# Altium PCB roach2.PcbDoc (part 22 of 39)
Units mil, origin at the board's own origin, x right, y up, seen from the top; angles counter-clockwise.
Board outline 12007.87 x 9606.3 mil, 16 copper layers (L1_TOP, L2_G, L3_S, L4_G, L5_S, L6_P, L7_G, L8_R, L9_R, L10_P, L11_P, L12_S, L13_P, L14_S, L15_G, L16_BOT), stack 81.651 mil thick; 1608 components, 1934 nets, 9335 pads, 6759 vias.
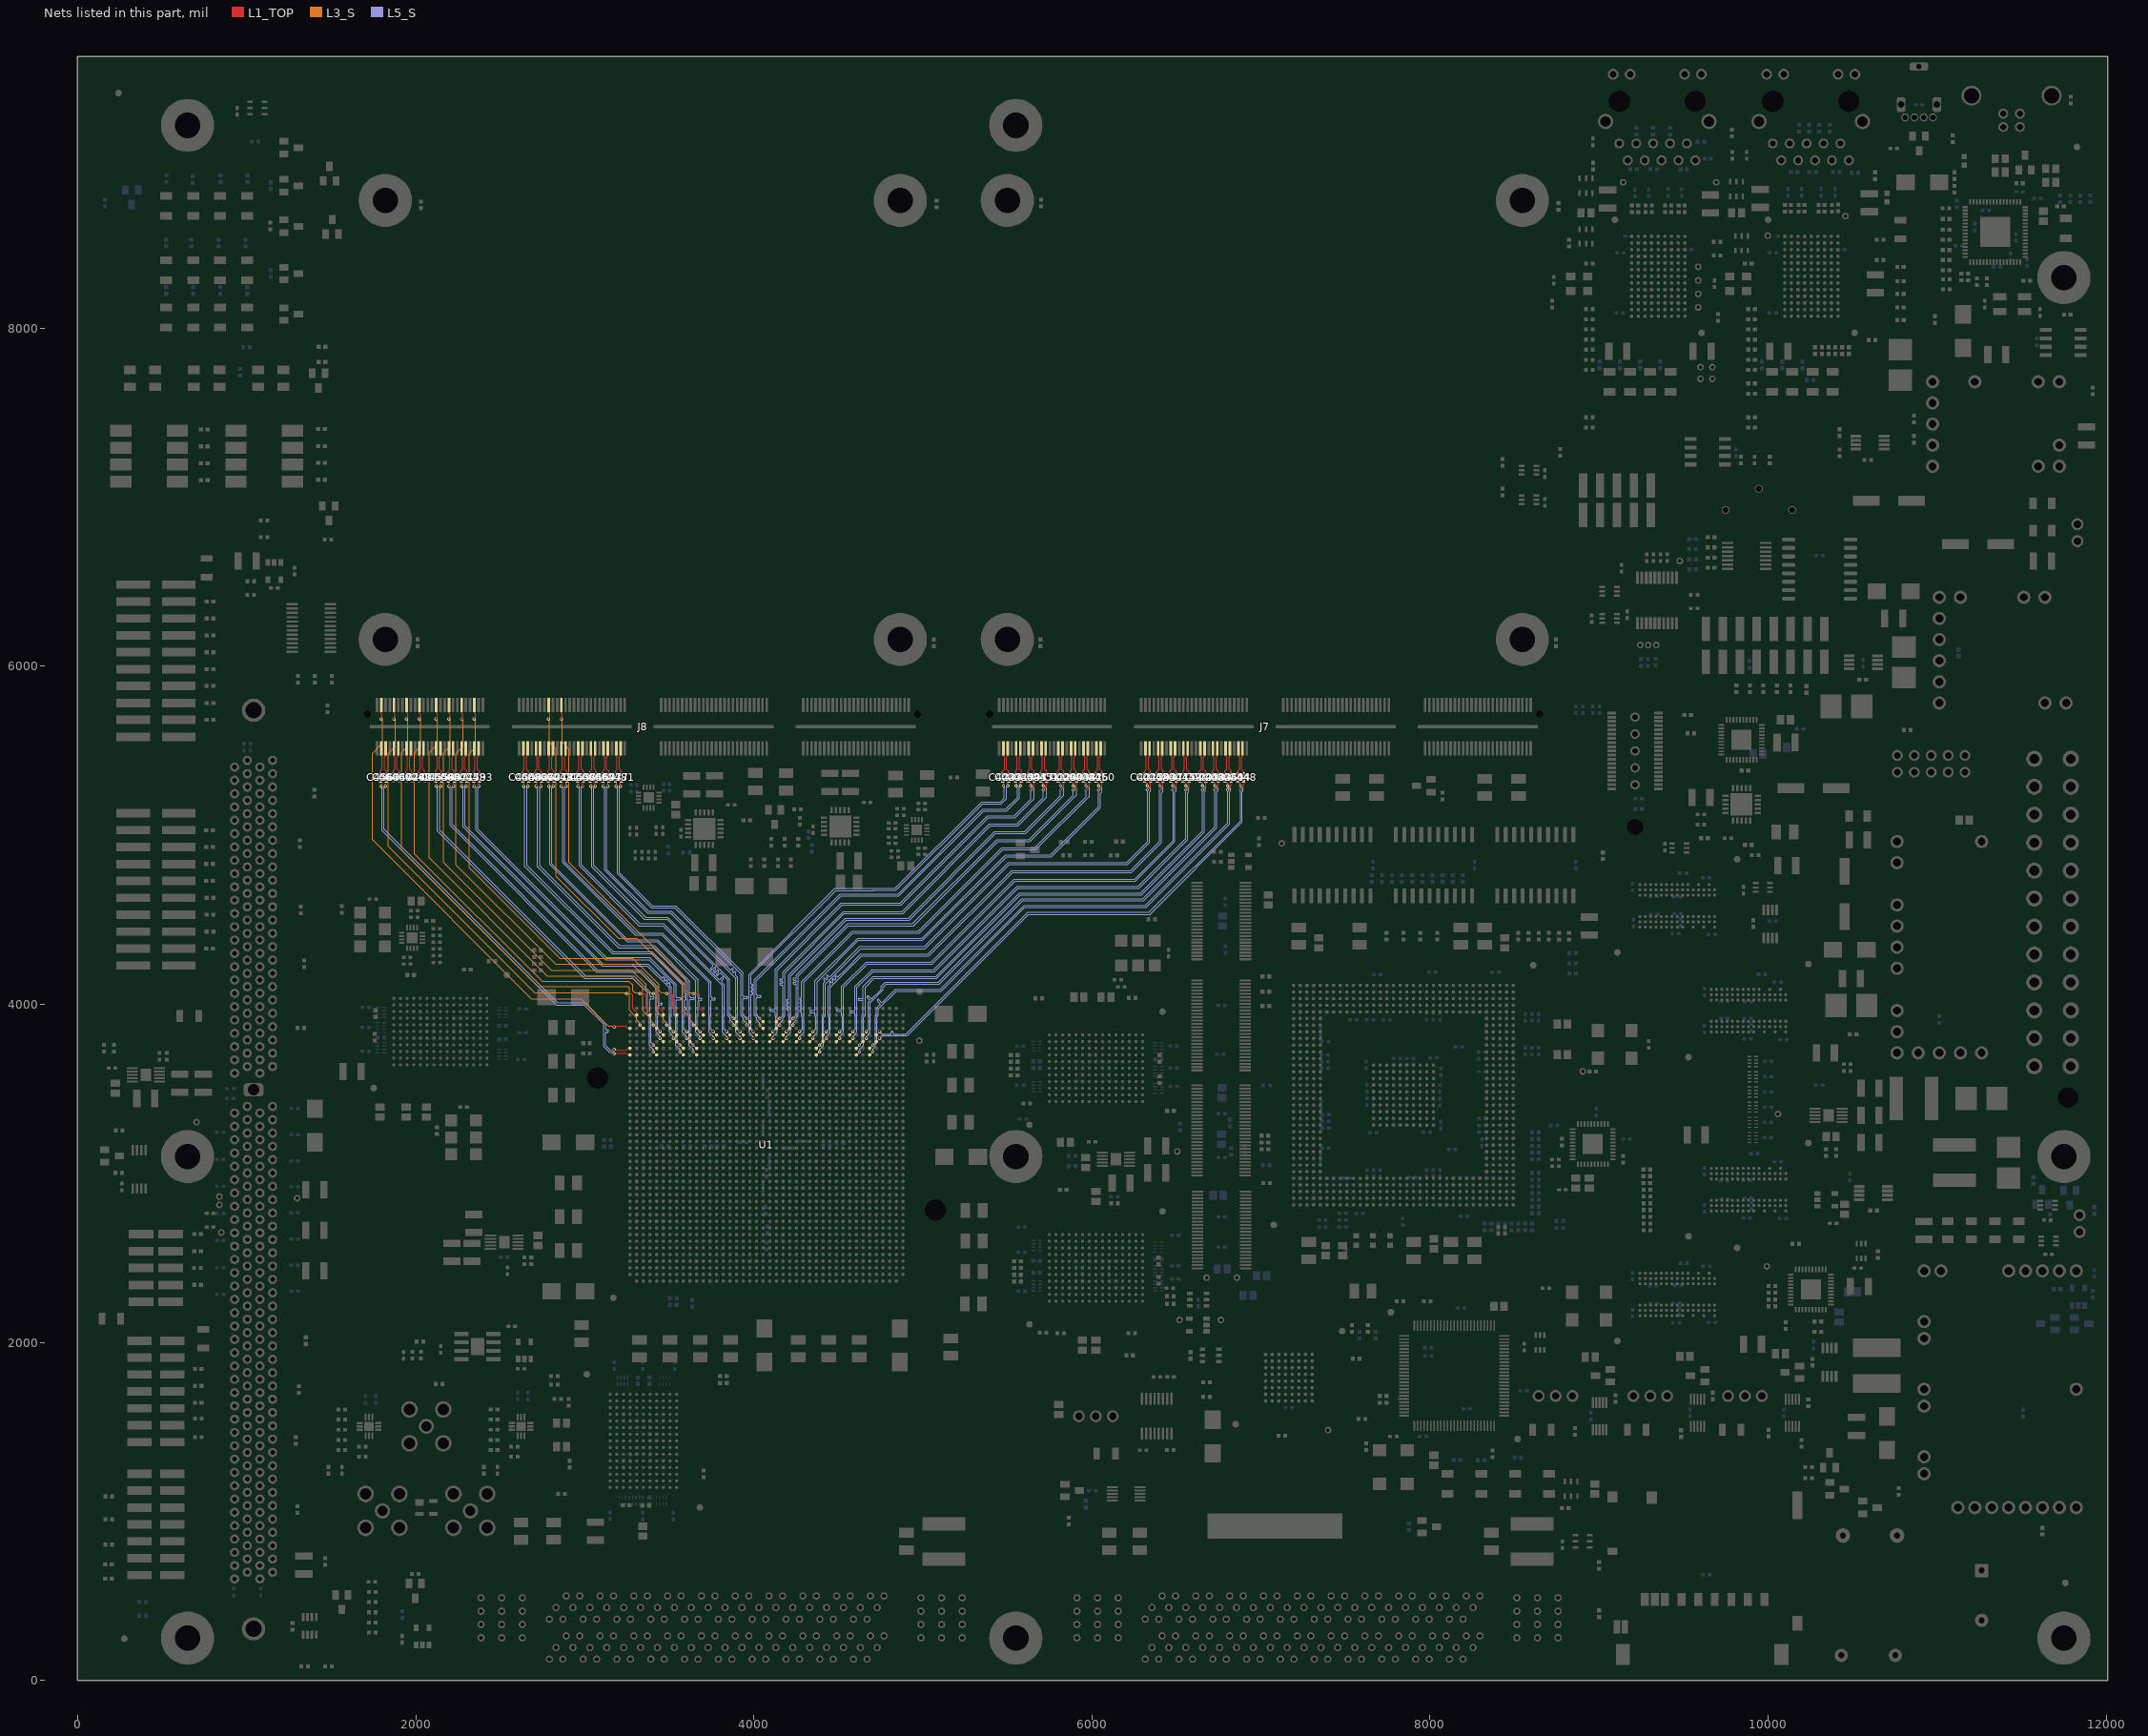
[diagram p36: the nets of this part, all layers, seen from the top]

## Via types
v1: diameter 19.4, hole 10, L1_TOP to L16_BOT, tented both sides, 3354 vias
v2: diameter 19.4, hole 10, L1_TOP to L16_BOT, 1884 vias
v3: diameter 19.4, hole 10, L1_TOP to L16_BOT, tented top, 410 vias
v4: diameter 18.6, hole 10, L1_TOP to L16_BOT, tented both sides, 311 vias
v5: diameter 59.06, hole 39.37, L1_TOP to L16_BOT, 217 vias
v6: diameter 19, hole 10, L1_TOP to L16_BOT, 198 vias
v7: diameter 19.4, hole 10.04, L1_TOP to L16_BOT, 125 vias
v8: diameter 19.4, hole 10, L1_TOP to L16_BOT, tented bottom, 80 vias
v9: diameter 25.98, hole 12.99, L1_TOP to L16_BOT, tented top, 59 vias
v10: diameter 20, hole 10, L1_TOP to L16_BOT, 52 vias
v11: diameter 59.06, hole 39.37, L1_TOP to L16_BOT, tented top, 44 vias
v12: diameter 20, hole 10, L1_TOP to L16_BOT, tented top, 16 vias
v13: diameter 19, hole 10, L1_TOP to L16_BOT, tented top, 5 vias
v14: diameter 50, hole 28, L1_TOP to L16_BOT, 4 vias

## Nets (pads, with @x,y where several pads share a name; then routed paths per layer and width w, separated by ;. In a path a pad name is that pad's centre, name@x,y a point inside that pad or via, vN(x,y) a via of type N, cw(c..) or ccw(c..) an arc to the next point about the centre after c; other vN are vias at no path point) (continued)
MGT_RX_AC3_N: C456.1 U1.BB8 | length 2397.6
  L1_TOP w5: C456.1@1791.34,5322.83 1796.99,5317.18 1796.99,5292.99 v2(1794.99,5290.99) ; v1@3176.09,3709.46 3176.73,3710.09 3198.27,3710.09 3200.09,3711.92 3242.91,3711.92 3255.09,3699.73 3267.72,3699.73 U1.BB8@3267.82,3699.73
  L5_S w3.8: v2(1794.99,5290.99) 1799.21,5286.77 1794,5281.56 1802,5273.56 1802,5028.71 2833.72,3996.99 2997.69,3996.99 3112.99,3881.69 3112.99,3750.12 3147.1,3716.01 3167.97,3716.01 v1@3173.99,3709.99
  other v1: 3173.09,3708.46
MGT_RX_AC3_P: C460.1 U1.BB7 | length 2397.6
  L1_TOP w5: v2(1820.99,5290.99) 1820.99,5317.06 C460.1@1826.77,5322.83 ; v1@3179.09,3731.46 3179.89,3730.66 3196.35,3730.66 3200.09,3726.92 3242.91,3726.92 3255.09,3739.1 3267.72,3739.1 U1.BB7@3267.82,3739.1
  L5_S w3.8: v2(1820.99,5290.99) 1812.99,5282.99 1812.99,5035.01 2839.01,4008.99 3000.99,4008.99 3122.99,3886.99 3122.99,3854 ccw(c3128.89,3854) 3128.89,3848.1 3135.67,3848.1 cw(c3135.67,3842.2) 3141.57,3842.2 cw(c3135.67,3842.2) 3135.67,3836.3 3128.89,3836.3 ccw(c3128.89,3830.4) 3122.99,3830.4 3122.99,3756.81 3151.99,3727.81 3168.15,3727.81 3172.95,3732.61 v1@3174.17,3733.83
  other v1: 3173.27,3732.29
MGT_RX_AC4_N: C479.1 U1.AP8 | length 2287.9
  L1_TOP w5: C479.1@2342.52,5322.83 2348.17,5317.18 2348.17,5292.99 v2(2346.17,5290.99) ; v1(3562.09,3718.94) 3581.46,3699.57 U1.AP8@3581.78,3699.25
  L5_S w3.8: v2(2346.17,5290.99) 2355.19,5281.97 2355.19,5031.9 3122.1,4264.99 3378.99,4264.99 3529.99,4113.99 3529.99,3933.99 3539.22,3924.76 3539.22,3755.89 3562.99,3732.12 v1@3562.99,3720.47
MGT_RX_AC4_P: C483.1 U1.AP7 | length 2287.9
  L1_TOP w5: v2(2372.17,5290.99) 2372.17,5317.06 C483.1@2377.95,5322.83 ; v1(3562.09,3758.31) 3581.46,3738.94 U1.AP7@3581.78,3738.62
  L5_S w3.8: v2(2372.17,5290.99) 2366.99,5285.81 2366.99,5036.79 3126.79,4276.99 3382.99,4276.99 3541.79,4118.19 3541.79,4045.4 ccw(c3547.69,4045.4) 3547.69,4039.5 3564.47,4039.5 cw(c3564.47,4033.6) 3570.37,4033.6 cw(c3564.47,4033.6) 3564.47,4027.7 3547.69,4027.7 ccw(c3547.69,4021.8) 3541.79,4021.8 3541.79,3938.88 3547.39,3933.28 3547.39,3775.44 v1@3562.99,3759.84
MGT_RX_AC5_N: C471.1 U1.AR6 | length 2229.6
  L1_TOP w5: C471.1@2267.72,5322.83 2273.37,5317.18 2273.37,5292.99 v2(2271.37,5290.99) ; v1(3523.62,3799.21) U1.AR6@3543.31,3779.53
  L5_S w3.8: v2(2271.37,5290.99) 2279.19,5283.17 2279.19,5050.1 3102.3,4226.99 3368.99,4226.99 3499.85,4096.13 3499.85,3834.64 3523.62,3810.87 v1(3523.62,3799.21)
MGT_RX_AC5_P: C475.1 U1.AR5 | length 2229.6
  L1_TOP w5: v2(2297.37,5290.99) 2297.37,5317.06 C475.1@2303.15,5322.83 ; v1(3523.62,3838.58) U1.AR5@3543.31,3818.9
  L5_S w3.8: v2(2297.37,5290.99) 2290.99,5284.61 2290.99,5054.99 3106.99,4238.99 3372.99,4238.99 3453.24,4158.74 ccw(c3457.41,4162.91) 3461.59,4158.74 3461.9,4159.05 cw(c3466.07,4154.88) 3470.24,4159.05 cw(c3466.07,4154.88) 3470.24,4150.71 3469.93,4150.4 ccw(c3474.1,4146.23) 3469.93,4142.05 ccw(c3474.1,4146.23) 3478.27,4142.05 3478.58,4142.36 cw(c3482.75,4138.19) 3486.93,4142.36 cw(c3482.75,4138.19) 3486.93,4134.02 3486.62,4133.71 ccw(c3490.79,4129.54) 3486.62,4125.37 ccw(c3490.79,4129.54) 3494.96,4125.37 3495.27,4125.67 cw(c3499.44,4121.5) 3503.61,4125.67 cw(c3499.44,4121.5) 3503.61,4117.33 3503.31,4117.02 ccw(c3507.48,4112.85) 3503.31,4108.68 3511.65,4100.33 3511.65,3928.99 3508.02,3925.36 3508.02,3854.18 v1(3523.62,3838.58)
MGT_RX_AC6_N: C463.1 U1.AU6 | length 2218.8
  L1_TOP w5: C463.1@2192.91,5322.83 2198.57,5317.18 v2@2198.57,5292.99 ; v1(3444.88,3799.21) U1.AU6@3464.57,3779.53
  L5_S w3.8: v2(2196.57,5290.99) 2203.19,5284.37 2203.19,5058.79 3070.99,4190.99 3326.99,4190.99 3421.11,4096.87 3421.11,3834.64 3444.88,3810.87 v1(3444.88,3799.21)
MGT_RX_AC6_P: C467.1 U1.AU5 | length 2218.8
  L1_TOP w5: v2(2222.57,5290.99) 2222.57,5317.06 C467.1@2228.35,5322.83 ; v1(3444.88,3838.58) U1.AU5@3464.57,3818.9
  L5_S w3.8: v2(2222.57,5290.99) 2214.99,5283.42 2214.99,5063.68 3075.68,4202.99 3330.99,4202.99 3432.91,4101.07 3432.91,4014 ccw(c3438.81,4014) 3438.81,4008.1 3451.68,4008.1 cw(c3451.68,4002.2) 3457.58,4002.2 cw(c3451.68,4002.2) 3451.68,3996.3 3438.81,3996.3 ccw(c3438.81,3990.4) 3432.91,3990.4 3432.91,3928.99 3429.28,3925.36 3429.28,3854.18 v1(3444.88,3838.58)
MGT_RX_AC7_N: C455.1 U1.AV8 | length 2329.2
  L1_TOP w5: C455.1@2118.11,5322.83 2123.76,5317.18 v2@2123.76,5292.99 ; v1(3404.61,3718.94) 3423.98,3699.57 U1.AV8@3424.3,3699.25
  L5_S w3.8: v2(2121.76,5290.99) 2129.19,5283.56 2129.19,5025.81 3000.01,4154.99 3284.99,4154.99 3370.99,4068.99 3370.99,3936.99 3381.74,3926.24 3381.74,3755.89 3405.51,3732.12 v1@3405.51,3720.47
MGT_RX_AC7_P: C459.1 U1.AV7 | length 2327.5
  L1_TOP w5: v2(2147.76,5290.99) 2147.76,5317.06 C459.1@2153.54,5322.83 ; v1(3404.61,3758.31) 3423.98,3738.94 U1.AV7@3424.3,3738.62
  L5_S w3.8: v2(2147.76,5290.99) 2140.99,5284.22 2140.99,5030.99 3004.99,4166.99 3288.99,4166.99 3384.99,4070.99 3384.99,4051.4 ccw(c3390.89,4051.4) 3390.89,4045.5 3404.73,4045.5 cw(c3404.73,4039.6) 3410.63,4039.6 cw(c3404.73,4039.6) 3404.73,4033.7 3390.89,4033.7 ccw(c3390.89,4027.8) 3384.99,4027.8 3384.99,3937.79 3389.91,3932.87 3389.91,3791.49 3389.99,3791.58 3389.99,3775.36 v1@3405.51,3759.84
MGT_RX_AC8_N: C478.1 U1.AJ6 | length 2015
  L1_TOP w5: C478.1@2858.55,5322.83 2864.2,5317.18 v2@2864.2,5292.99 ; v1(3759.84,3799.21) U1.AJ6@3779.53,3779.53
  L5_S w3.8: v2(2862.2,5290.99) 2869.19,5284 2869.19,4838.79 3298.99,4408.99 3454.99,4408.99 3736.07,4127.91 3736.07,3834.64 3759.84,3810.87 v1(3759.84,3799.21)
MGT_RX_AC8_P: C482.1 U1.AJ5 | length 2015
  L1_TOP w5: v2(2888.2,5290.99) 2888.2,5317.06 2893.84,5322.69 C482.1@2893.98,5322.83 ; v1(3759.84,3838.58) U1.AJ5@3779.53,3818.9
  L5_S w3.8: v2(2888.2,5290.99) 2880.99,5283.78 2880.99,4843.01 3303.21,4420.79 3459.19,4420.79 3747.87,4132.11 3747.87,4044 ccw(c3753.77,4044) 3753.77,4038.1 3766.59,4038.1 cw(c3766.59,4032.2) 3772.49,4032.2 cw(c3766.59,4032.2) 3766.59,4026.3 3753.77,4026.3 ccw(c3753.77,4020.4) 3747.87,4020.4 3747.87,3928.99 3744.24,3925.36 3744.24,3854.18 v1(3759.84,3838.58)
MGT_RX_AC9_N: C470.1 U1.AL6 | length 2026.3
  L1_TOP w5: C470.1@2783.75,5322.83 2789.4,5317.18 v2@2789.4,5292.99 ; v1(3681.1,3799.21) U1.AL6@3700.79,3779.53
  L5_S w3.8: v2(2787.4,5290.99) 2793.19,5285.2 2793.19,4826.79 3248.99,4370.99 3426.99,4370.99 3657.33,4140.65 3657.33,3834.64 3681.1,3810.87 v1(3681.1,3799.21)
MGT_RX_AC9_P: C474.1 U1.AL5 | length 2026.3
  L1_TOP w5: v2(2813.4,5290.99) 2813.4,5317.06 2819.04,5322.69 C474.1@2819.18,5322.83 ; v1(3681.1,3838.58) U1.AL5@3700.79,3818.9
  L5_S w3.8: v2(2813.4,5290.99) 2804.99,5282.58 2804.99,4830.99 3253.19,4382.79 3431.19,4382.79 3669.13,4144.85 3669.13,4041.4 ccw(c3675.03,4041.4) 3675.03,4035.5 3687.35,4035.5 cw(c3687.35,4029.6) 3693.25,4029.6 cw(c3687.35,4029.6) 3687.35,4023.7 3675.03,4023.7 ccw(c3675.03,4017.8) 3669.13,4017.8 3669.13,3928.99 3665.5,3925.36 3665.5,3854.18 v1(3681.1,3838.58)
MGT_RX_AC10_N: C462.1 U1.AM8 | length 2138.1
  L1_TOP w5: C462.1@2709.01,5322.83 2714.66,5317.18 2714.66,5292.99 v2(2712.66,5290.99) ; v1(3640.83,3718.94) 3660.2,3699.57 U1.AM8@3660.52,3699.25
  L5_S w3.8: v2(2712.66,5290.99) 2721.19,5282.46 2721.19,4814.1 3200.3,4334.99 3404.99,4334.99 3608.73,4131.25 3608.73,3933.99 3617.96,3924.76 3617.96,3755.89 3641.73,3732.12 v1@3641.73,3720.47
MGT_RX_AC10_P: C466.1 U1.AM7 | length 2138.1
  L1_TOP w5: v2(2738.66,5290.99) 2738.66,5317.06 2744.27,5322.66 C466.1@2744.44,5322.83 ; v1(3640.83,3758.31) 3660.2,3738.94 U1.AM7@3660.52,3738.62
  L5_S w3.8: v2(2738.66,5290.99) 2732.99,5285.32 2732.99,4818.99 3204.99,4346.99 3410.99,4346.99 3620.53,4137.45 3620.53,4048 ccw(c3626.43,4048) 3626.43,4042.1 3642.42,4042.1 cw(c3642.42,4036.2) 3648.32,4036.2 cw(c3642.42,4036.2) 3642.42,4030.3 3626.43,4030.3 ccw(c3626.43,4024.4) 3620.53,4024.4 3620.53,3938.88 3626.13,3933.28 3626.13,3775.44 v1@3641.73,3759.84
MGT_RX_AC11_N: C454.1 U1.AN6 | length 2086.4
  L1_TOP w5: C454.1@2634.2,5322.83 2639.86,5317.18 v2@2639.86,5292.99 ; v1(3602.36,3799.21) U1.AN6@3622.05,3779.53
  L5_S w3.8: v2(2637.86,5290.99) 2645.19,5283.66 2645.19,4816.1 3162.2,4299.09 3206.89,4299.09 3206.99,4298.99 3392.99,4298.99 3578.59,4113.39 3578.59,3834.64 3602.36,3810.87 v1(3602.36,3799.21)
MGT_RX_AC11_P: C458.1 U1.AN5 | length 2082.8
  L1_TOP w5: v2(2663.86,5290.99) 2663.86,5317.06 2669.46,5322.66 C458.1@2669.64,5322.83 ; v1(3602.36,3838.58) U1.AN5@3622.05,3818.9
  L5_S w3.8: v2(2663.86,5290.99) 2656.99,5284.13 2656.99,4820.99 3167.09,4310.89 3206.89,4310.89 3206.99,4310.99 3396.99,4310.99 3590.39,4117.59 3590.39,4067.74 ccw(c3595.03,4067.74) 3595.03,4063.1 cw(c3595.03,4057.2) 3600.93,4057.2 cw(c3595.03,4057.2) 3595.03,4051.3 ccw(c3595.03,4046.66) 3590.39,4046.66 3590.39,4044.14 ccw(c3595.03,4044.14) 3595.03,4039.5 cw(c3595.03,4033.6) 3600.93,4033.6 cw(c3595.03,4033.6) 3595.03,4027.7 ccw(c3595.03,4023.06) 3590.39,4023.06 3590.39,3985.14 ccw(c3595.03,3985.14) 3595.03,3980.5 cw(c3595.03,3974.6) 3600.93,3974.6 cw(c3595.03,3974.6) 3595.03,3968.7 ccw(c3595.03,3964.06) 3590.39,3964.06 3590.39,3928.99 3586.76,3925.36 3586.76,3854.18 v1(3602.36,3838.58)
MGT_RX_AC12_N: C477.1 U1.AD4 | length 1876.4
  L1_TOP w5: C477.1@3181.39,5322.83 3187.04,5317.18 3187.04,5292.99 v2(3185.04,5290.99) ; v1(3956.69,3877.95) U1.AD4@3976.38,3858.27
  L5_S w3.8: v2(3185.04,5290.99) 3193.19,5282.84 3193.19,4772.79 3394.99,4570.99 3532.99,4570.99 3923.93,4180.05 3923.93,3933.4 3937.09,3920.24 3937.09,3909.21 3956.69,3889.61 v1(3956.69,3877.95)
MGT_RX_AC12_P: C481.1 U1.AD3 | length 1876.4
  L1_TOP w5: v2(3211.04,5290.99) 3211.04,5317.06 3216.68,5322.69 C481.1@3216.82,5322.83 ; v1(3956.69,3917.32) U1.AD3@3976.38,3897.64
  L5_S w3.8: v2(3211.04,5290.99) 3204.99,5284.94 3204.99,4777.68 3399.88,4582.79 3539.21,4582.79 3935.73,4186.27 3935.73,4053.4 ccw(c3941.63,4053.4) 3941.63,4047.5 3957.46,4047.5 cw(c3957.46,4041.6) 3963.36,4041.6 cw(c3957.46,4041.6) 3957.46,4035.7 3941.63,4035.7 ccw(c3941.63,4029.8) 3935.73,4029.8 3935.73,3938.28 v1(3956.69,3917.32)
MGT_RX_AC13_N: C469.1 U1.AE6 | length 1965.8
  L1_TOP w5: C469.1@3106.58,5322.83 3112.24,5317.18 v2@3112.24,5292.99 ; v1(3917.32,3799.21) U1.AE6@3937.01,3779.53
  L5_S w3.8: v2(3110.24,5290.99) 3117.19,5284.04 3117.19,4792.79 3370.99,4538.99 3506.99,4538.99 3893.55,4152.43 3893.55,3834.64 3917.32,3810.87 v1(3917.32,3799.21)
MGT_RX_AC13_P: C473.1 U1.AE5 | length 1965.8
  L1_TOP w5: v2(3136.24,5290.99) 3136.24,5317.06 3141.87,5322.69 C473.1@3142.02,5322.83 ; v1(3917.32,3838.58) U1.AE5@3937.01,3818.9
  L5_S w3.8: v2(3136.24,5290.99) 3128.99,5283.75 3128.99,4797.68 3375.88,4550.79 3513.21,4550.79 3857.41,4206.59 ccw(c3861.58,4210.76) 3865.75,4206.59 3867.76,4208.6 cw(c3871.93,4204.43) 3876.1,4208.6 cw(c3871.93,4204.43) 3876.1,4200.26 3874.1,4198.25 ccw(c3878.27,4194.08) 3874.1,4189.9 ccw(c3878.27,4194.08) 3882.44,4189.9 3884.45,4191.91 cw(c3888.62,4187.74) 3892.79,4191.91 cw(c3888.62,4187.74) 3892.79,4183.57 3890.78,4181.56 ccw(c3894.96,4177.39) 3890.78,4173.22 3905.35,4158.65 3905.35,3928.99 3901.72,3925.36 3901.72,3854.18 v1(3917.32,3838.58)
MGT_RX_AC14_N: C461.1 U1.AF4 | length 2027
  L1_TOP w5: C461.1@3031.78,5322.83 3037.43,5317.18 v2@3037.43,5292.99 ; v1(3877.95,3877.95) U1.AF4@3897.64,3858.27
  L5_S w3.8: v2(3035.43,5290.99) 3041.19,5285.23 3041.19,4814.79 3352.99,4502.99 3486.99,4502.99 3756.93,4233.06 cw(c3752.76,4228.88) 3756.93,4224.71 3746.79,4214.57 ccw(c3750.96,4210.4) 3746.79,4206.23 ccw(c3750.96,4210.4) 3755.13,4206.23 3765.27,4216.37 cw(c3769.44,4212.2) 3773.62,4216.37 cw(c3769.44,4212.2) 3773.62,4208.02 3763.47,4197.88 ccw(c3767.65,4193.71) 3763.47,4189.54 ccw(c3767.65,4193.71) 3771.82,4189.54 3781.96,4199.68 cw(c3786.13,4195.51) 3790.3,4199.68 cw(c3786.13,4195.51) 3790.3,4191.34 3780.16,4181.19 ccw(c3784.33,4177.02) 3780.16,4172.85 ccw(c3784.33,4177.02) 3788.51,4172.85 3798.65,4182.99 cw(c3802.82,4178.82) 3806.99,4182.99 3845.19,4144.79 3845.19,3933.4 3858.35,3920.24 3858.35,3909.21 3877.95,3889.61 v1(3877.95,3877.95)
MGT_RX_AC14_P: C465.1 U1.AF3 | length 1858.3
  L1_TOP w5: v2(3061.43,5290.99) 3061.43,5317.06 3067.07,5322.69 C465.1@3067.21,5322.83 ; v1(3877.95,3917.32) U1.AF3@3897.64,3897.64
  L5_S w3.8: v2(3061.43,5290.99) 3052.99,5282.55 3052.99,4821.01 3359.21,4514.79 3491.19,4514.79 3856.99,4148.99 3856.99,3938.28 v1(3877.95,3917.32)
MGT_RX_AC15_N: C453.1 U1.AG6 | length 1997.5
  L1_TOP w5: C453.1@2956.98,5322.83 2962.63,5317.18 v2@2962.63,5292.99 ; v1(3838.58,3799.21) U1.AG6@3858.27,3779.53
  L5_S w3.8: v2(2960.63,5290.99) 2967.19,5284.43 2967.19,4818.79 3320.99,4464.99 3460.99,4464.99 3814.81,4111.17 3814.81,3834.64 3838.58,3810.87 v1(3838.58,3799.21)
MGT_RX_AC15_P: C457.1 U1.AG5 | length 1997.5
  L1_TOP w5: v2(2986.63,5290.99) 2986.63,5317.06 2992.27,5322.69 C457.1@2992.41,5322.83 ; v1(3838.58,3838.58) U1.AG5@3858.27,3818.9
  L5_S w3.8: v2(2986.63,5290.99) 2978.99,5283.35 2978.99,4823.68 3325.88,4476.79 3465.19,4476.79 3792.96,4149.02 ccw(c3797.13,4153.2) 3801.3,4149.02 3810.39,4158.1 cw(c3814.56,4153.93) 3818.73,4158.1 cw(c3814.56,4153.93) 3818.73,4149.76 3809.65,4140.68 ccw(c3813.82,4136.51) 3809.65,4132.34 3826.61,4115.37 3826.61,3928.99 3822.98,3925.36 3822.98,3854.18 v1(3838.58,3838.58)
MGT_RX_AC16_N: C447.1 U1.Y4 | length 2442.3
  L1_TOP w5: U1.Y4@4133.86,3858.27 v1(4153.54,3877.95) ; C447.1@5696.85,5322.83 5712.63,5307.06 v2(5712.63,5292.99)
  L5_S w3.8: v1(4153.54,3877.95) 4153.54,3889.61 4173.14,3909.21 4173.14,3920.24 4182.79,3929.88 4182.79,4186.09 4534.69,4537.99 4881.79,4537.99 5399.69,5055.89 5562.69,5055.89 5732.23,5225.43 5732.23,5277.11 5716.35,5292.99 v2(5712.63,5292.99)
MGT_RX_AC16_P: C451.1 U1.Y3 | length 2442.3
  L1_TOP w5: U1.Y3@4133.86,3897.64 v1(4153.54,3917.32) ; v2(5712.63,5268.99) 5732.28,5288.65 C451.1@5732.28,5322.83
  L5_S w3.8: v1(4153.54,3917.32) 4170.99,3934.77 4170.99,4108 ccw(c4165.09,4108) 4165.09,4113.9 4157.85,4113.9 cw(c4157.85,4119.8) 4151.95,4119.8 cw(c4157.85,4119.8) 4157.85,4125.7 4165.09,4125.7 ccw(c4165.09,4131.6) 4170.99,4131.6 ccw(c4165.09,4131.6) 4165.09,4137.5 4157.85,4137.5 cw(c4157.85,4143.4) 4151.95,4143.4 cw(c4157.85,4143.4) 4157.85,4149.3 4165.09,4149.3 ccw(c4165.09,4155.2) 4170.99,4155.2 4170.99,4190.98 4529.8,4549.79 4876.9,4549.79 5394.8,5067.69 5557.8,5067.69 5712.95,5222.84 5712.95,5268.67 v2(5712.63,5268.99)
MGT_RX_AC17_N: C439.1 U1.AA6 | length 2504.4
  L1_TOP w5: U1.AA6@4094.49,3779.53 v1(4114.17,3799.21) ; C439.1@5622.05,5322.83 5637.83,5307.06 v2(5637.83,5292.99)
  L5_S w3.8: v1(4114.17,3799.21) 4114.17,3810.87 4137.94,3834.64 4137.94,4202.84 4522.49,4587.39 4870.79,4587.39 5387.39,5103.99 5545.88,5103.99 5657.43,5215.54 5657.43,5277.11 5641.55,5292.99 v2(5637.83,5292.99)
MGT_RX_AC17_P: C443.1 U1.AA5 | length 2504.4
  L1_TOP w5: U1.AA5@4094.49,3818.9 v1(4114.17,3838.58) ; v2(5637.83,5268.99) 5657.48,5288.65 C443.1@5657.48,5322.83
  L5_S w3.8: v1(4114.17,3838.58) 4129.77,3854.18 4129.77,3925.36 4126.14,3928.99 4126.14,3952 ccw(c4120.24,3952) 4120.24,3957.9 4100.63,3957.9 cw(c4100.63,3963.8) 4094.73,3963.8 cw(c4100.63,3963.8) 4100.63,3969.7 4120.24,3969.7 ccw(c4120.24,3975.6) 4126.14,3975.6 4126.14,4207.73 4517.6,4599.19 4865.9,4599.19 5382.5,5115.79 5540.99,5115.79 5638.39,5213.19 5638.39,5268.43 v2(5637.83,5268.99)
MGT_RX_AC18_N: C431.1 U1.AB4 | length 2424.1
  L1_TOP w5: v1(4035.43,3877.95) U1.AB4@4055.12,3858.27 ; C431.1@5547.24,5322.83 5547.59,5324.8 5548.4,5323.99 5553.24,5319.15 5553.24,5294.96 v2(5551.24,5292.96)
  L5_S w3.8: v1(4035.43,3877.95) 4035.43,3889.61 4015.83,3909.21 4015.83,3920.24 4015.29,3920.78 4015.29,3923.75 4006.15,3932.89 4003.18,3932.89 4002.67,3933.4 4002.67,4145.77 4510.45,4653.55 4853.96,4653.55 5354.4,5153.99 5490.2,5153.99 5559.35,5223.14 5559.35,5284.86 v2(5551.24,5292.96)
MGT_RX_AC18_P: C435.1 U1.AB3 | length 2424.1
  L1_TOP w5: v1(4035.43,3917.32) U1.AB3@4055.12,3897.64 ; v2(5577.24,5292.96) 5577.24,5319.02 5581.87,5323.65 5583.02,5324.8 C435.1@5582.68,5322.83
  L5_S w3.8: v1(4035.43,3917.32) 4027.09,3925.66 4027.09,3928.64 4014.47,3941.26 4014.47,4035.8 cw(c4020.37,4035.8) 4020.37,4041.7 4037.44,4041.7 ccw(c4037.44,4047.6) 4043.34,4047.6 ccw(c4037.44,4047.6) 4037.44,4053.5 4020.37,4053.5 cw(c4020.37,4059.4) 4014.47,4059.4 4014.47,4140.88 4515.34,4641.75 4858.85,4641.75 5359.29,5142.19 5495.09,5142.19 5571.15,5218.25 5571.15,5286.86 v2(5577.24,5292.96)
MGT_RX_AC19_N: C423.1 U1.AC6 | length 2466.6
  L1_TOP w5: v1(3996.06,3799.21) U1.AC6@4015.75,3779.53 ; C423.1@5472.44,5322.83 5472.79,5324.8 5473.6,5324 5478.44,5319.15 v2@5478.44,5294.96
  L5_S w3.8: v1(3996.06,3799.21) 3996.06,3810.87 3972.29,3834.64 3972.29,4177.59 4480.33,4685.63 4700.67,4685.63 4701.33,4686.29 4836.09,4686.29 5348.29,5198.49 5459.79,5198.49 5481.99,5220.69 5481.99,5287.41 v2(5476.44,5292.96)
MGT_RX_AC19_P: C427.1 U1.AC5 | length 2462.6
  L1_TOP w5: v1(3996.06,3838.58) U1.AC5@4015.75,3818.9 ; v2(5502.44,5292.96) 5502.44,5319.02 5507.06,5323.65 5508.22,5324.8 C427.1@5507.87,5322.83
  L5_S w3.8: v1(3996.06,3838.58) 3984.09,3850.55 3984.09,4054.22 cw(c3988.97,4054.22) 3988.97,4059.1 ccw(c3988.97,4065) 3994.87,4065 ccw(c3988.97,4065) 3988.97,4070.9 cw(c3988.97,4075.78) 3984.09,4075.78 3984.09,4077.82 cw(c3988.97,4077.82) 3988.97,4082.7 ccw(c3988.97,4088.6) 3994.87,4088.6 ccw(c3988.97,4088.6) 3988.97,4094.5 cw(c3988.97,4099.38) 3984.09,4099.38 3984.09,4101.42 cw(c3988.97,4101.42) 3988.97,4106.3 ccw(c3988.97,4112.2) 3994.87,4112.2 ccw(c3988.97,4112.2) 3988.97,4118.1 cw(c3988.97,4122.98) 3984.09,4122.98 3984.09,4172.7 4485.22,4673.83 4705.55,4673.83 4706.22,4674.49 4840.98,4674.49 5353.18,5186.69 5464.68,5186.69 5493.79,5215.8 5493.79,5284.31 v2(5502.44,5292.96)
MGT_RX_AC20_N: C446.1 U1.R6 | length 2655.3
  L1_TOP w5: U1.R6@4330.71,3779.53 v1(4350.39,3799.21) ; C446.1@6023.62,5322.83 6039.4,5307.06 v2(6039.4,5292.99)
  L5_S w3.8: v1(4350.39,3799.21) 4350.39,3810.87 4374.16,3834.64 4374.16,4133.96 4618.89,4378.69 4999.58,4378.69 5493.68,4872.79 5760.38,4872.79 6051.2,5163.61 6051.2,5247.2 6059,5255 6059,5277.11 6043.12,5292.99 v2(6039.4,5292.99)
MGT_RX_AC20_P: C450.1 U1.R5 | length 2655.3
  L1_TOP w5: U1.R5@4330.71,3818.9 v1(4350.39,3838.58) ; v2(6039.4,5268.99) 6059.05,5288.65 C450.1@6059.05,5322.83
  L5_S w3.8: v1(4350.39,3838.58) 4365.99,3854.18 4365.99,3925.36 4362.36,3928.99 4362.36,3946 ccw(c4356.46,3946) 4356.46,3951.9 4336.61,3951.9 cw(c4336.61,3957.8) 4330.71,3957.8 cw(c4336.61,3957.8) 4336.61,3963.7 4356.46,3963.7 ccw(c4356.46,3969.6) 4362.36,3969.6 4362.36,4138.85 4614,4390.49 4994.69,4390.49 5488.79,4884.59 5755.49,4884.59 6039.4,5168.5 v2(6039.4,5268.99)
MGT_RX_AC21_N: C438.1 U1.U6 | length 2622
  L1_TOP w5: U1.U6@4251.97,3779.53 v1(4271.65,3799.21) ; C438.1@5948.82,5322.83 5964.6,5307.06 v2(5964.6,5292.99)
  L5_S w3.8: v1(4271.65,3799.21) 4271.65,3810.87 4295.42,3834.64 4295.42,4130.12 4586.19,4420.89 4978.89,4420.89 5471.79,4913.79 5666.89,4913.79 5984.2,5231.1 5984.2,5277.11 5968.32,5292.99 v2(5964.6,5292.99)
MGT_RX_AC21_P: C442.1 U1.U5 | length 2622.7
  L1_TOP w5: U1.U5@4251.97,3818.9 v1(4271.65,3838.58) ; v2(5964.6,5268.99) 5984.25,5288.65 C442.1@5984.25,5322.83
  L5_S w3.8: v1(4271.65,3838.58) 4287.25,3854.18 4287.25,3925.36 4283.62,3928.99 4283.62,3950 ccw(c4277.72,3950) 4277.72,3955.9 cw(c4277.72,3961.8) 4271.82,3961.8 cw(c4277.72,3961.8) 4277.72,3967.7 ccw(c4277.72,3973.6) 4283.62,3973.6 ccw(c4277.72,3973.6) 4277.72,3979.5 cw(c4277.72,3985.4) 4271.82,3985.4 cw(c4277.72,3985.4) 4277.72,3991.3 ccw(c4277.72,3997.2) 4283.62,3997.2 ccw(c4277.72,3997.2) 4277.72,4003.1 cw(c4277.72,4009) 4271.82,4009 cw(c4277.72,4009) 4277.72,4014.9 ccw(c4277.72,4020.8) 4283.62,4020.8 ccw(c4277.72,4020.8) 4277.72,4026.7 cw(c4277.72,4032.6) 4271.82,4032.6 cw(c4277.72,4032.6) 4277.72,4038.5 ccw(c4277.72,4044.4) 4283.62,4044.4 4283.62,4135.01 4581.3,4432.69 4974,4432.69 5466.9,4925.59 5662,4925.59 5964.6,5228.19 v2(5964.6,5268.99)